# Altium PCB spin5v1_simple.PcbDoc (part 9 of 25)
Units mm, origin at the board's own origin, x right, y up, seen from the top; angles counter-clockwise.
Board outline 220.03 x 233.43 mm, 2 copper layers (TOP, BOTTOM), stack 0.176 mm thick; 1457 components, 4724 nets, 19245 pads, 25289 vias.
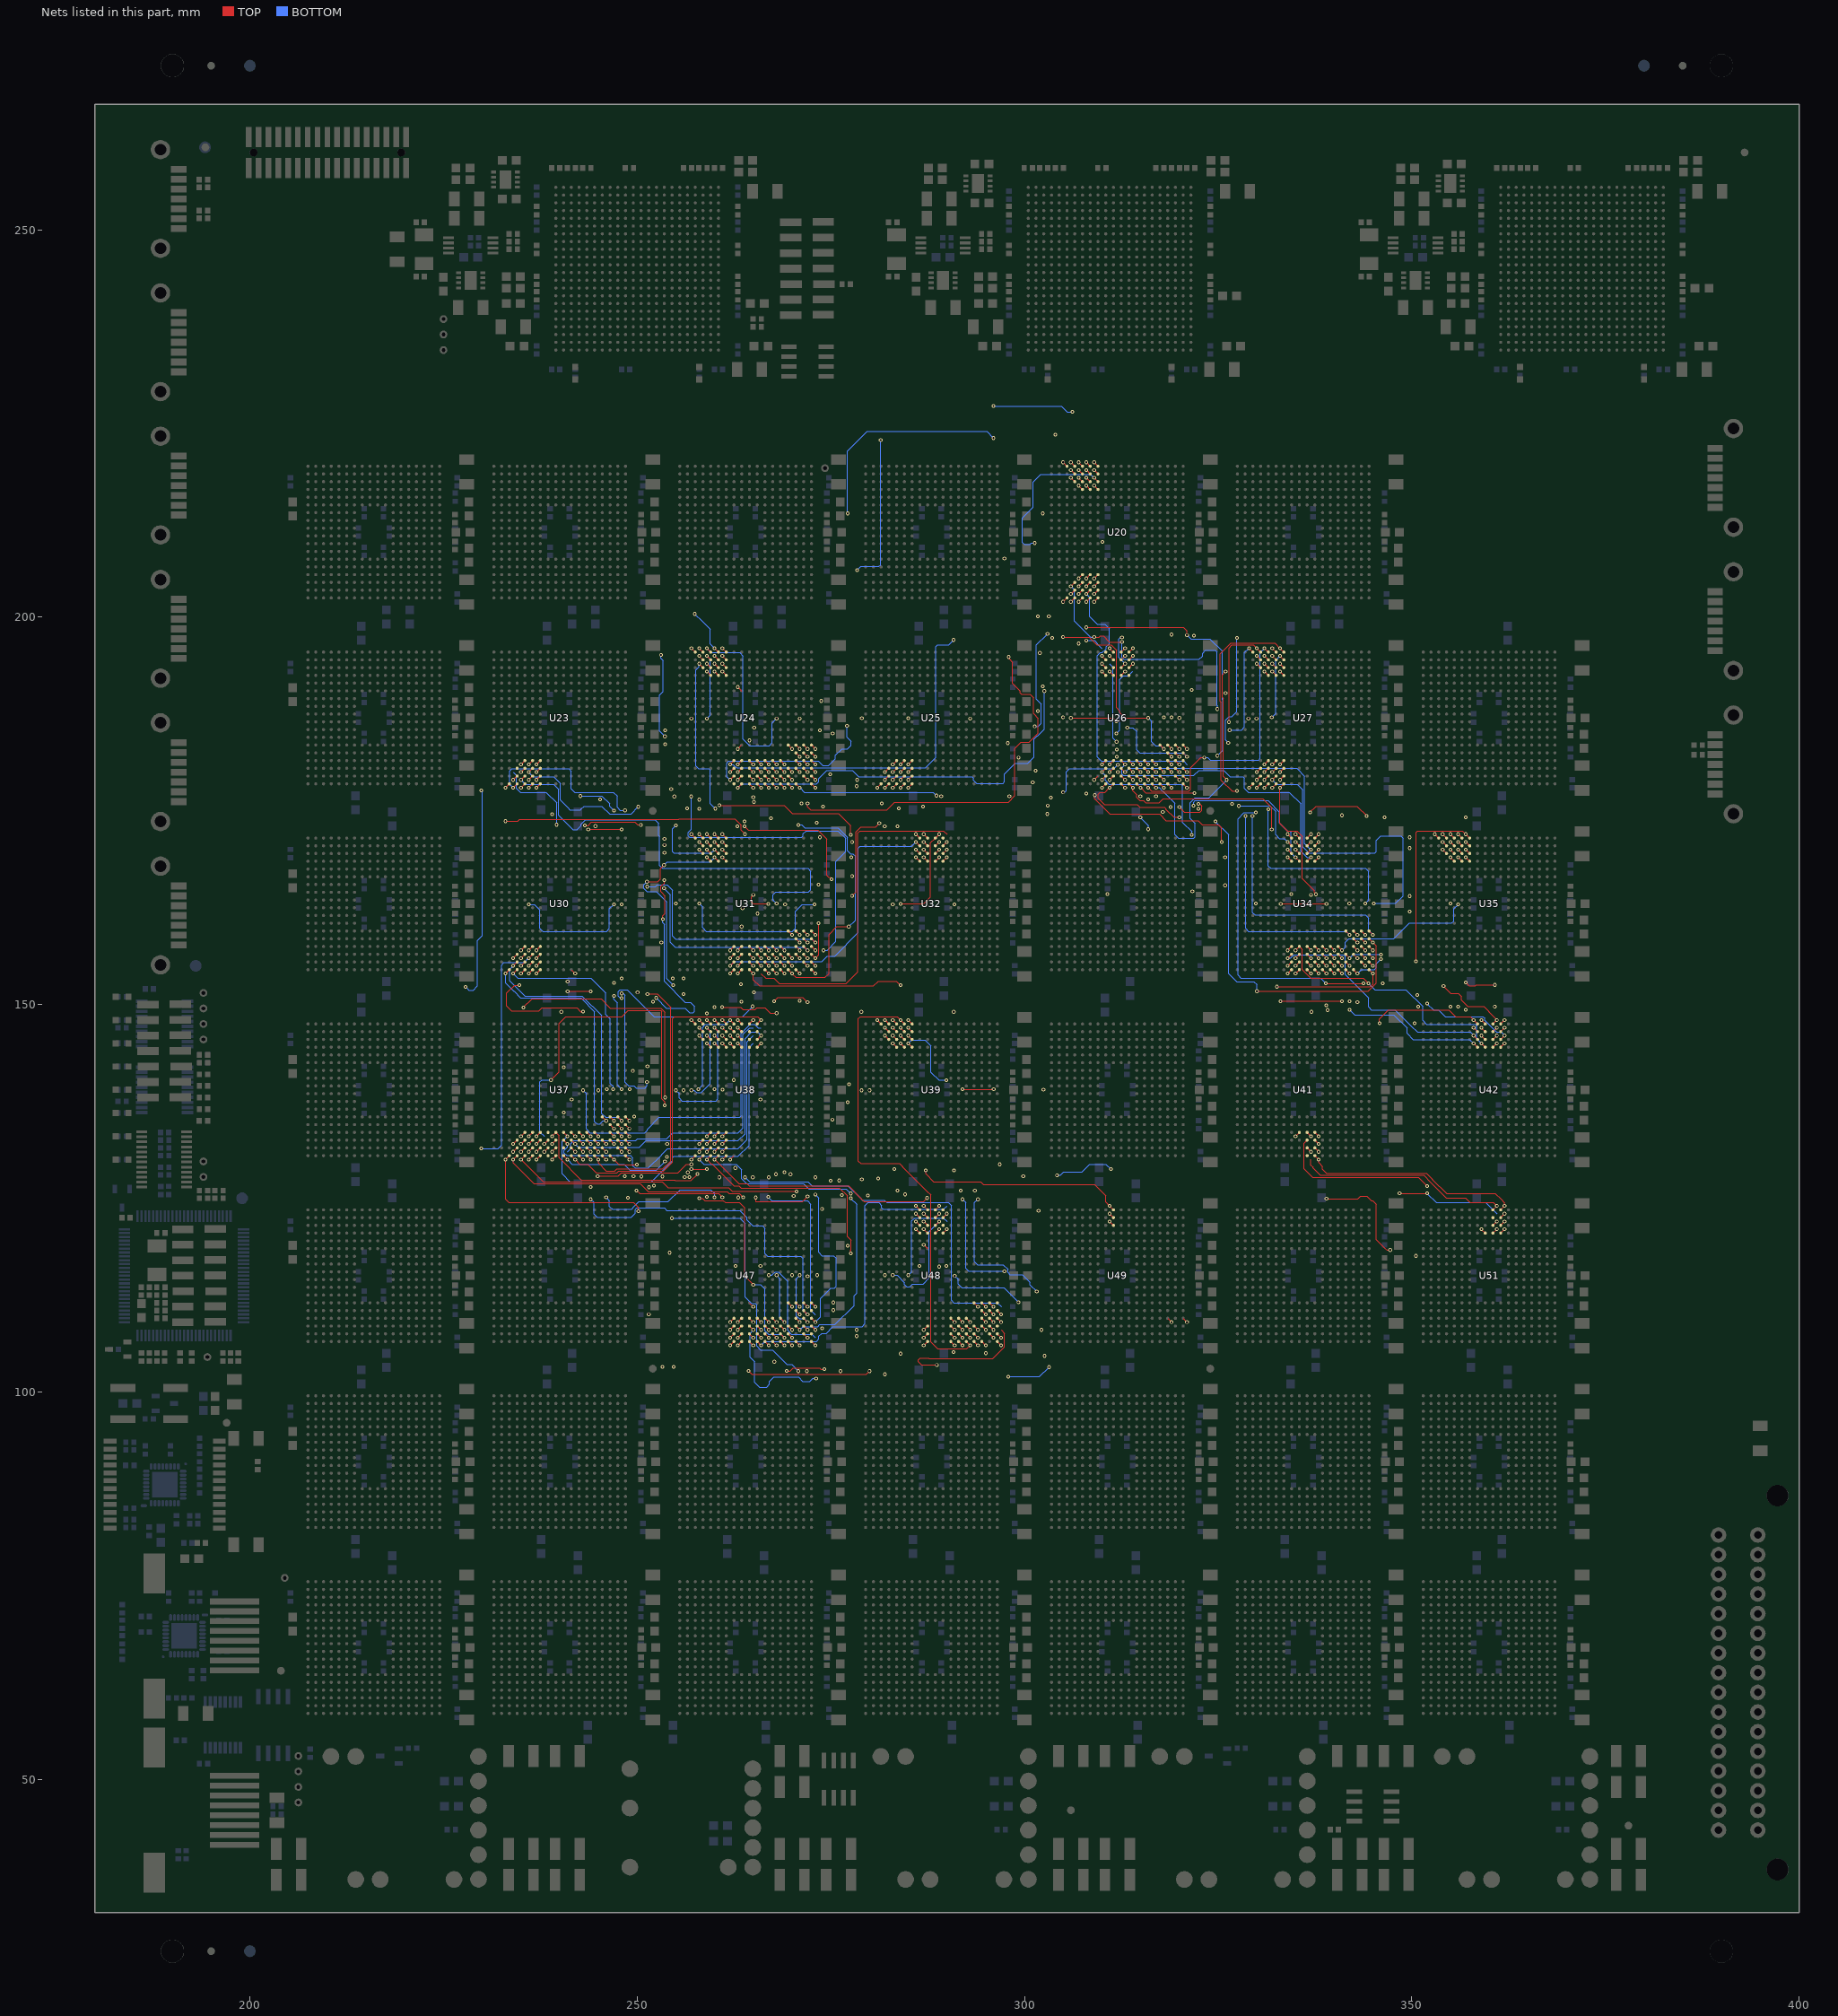
[diagram p9: the nets of this part, all layers, seen from the top]

## Via types
v1: diameter 0.48, hole 0.25, TOP to BOTTOM, 22348 vias
v2: diameter 0.61, hole 0.3, TOP to BOTTOM, 2059 vias
v3: diameter 0.8, hole 0, TOP to BOTTOM, 882 vias

## Nets (pads, with @x,y where several pads share a name; then routed paths per layer and width w, separated by ;. In a path a pad name is that pad's centre, name@x,y a point inside that pad or via, vN(x,y) a via of type N, cw(c..) or ccw(c..) an arc to the next point about the centre after c; other vN are vias at no path point) (continued)
S07_L0<13>: U48.V9 U49.A9 | length 26.4
  TOP w0.127: v1(287.279,128.591) 287.279,128.136 288.295,127.12 294.35,127.12 294.685,126.785 309.047,126.785 310.508,125.324 310.508,124.492 v1(311,124)
  other v1: 287,106 319,109 321,109
S07_L0<14>: U48.U9 U49.B9 | length 5.8
  BOTTOM w0.127: v1(297.925,101.958) 301.947,101.958 v1(303.193,103.204)
  other v1: 287,107 311,123 301.818,123.4
S07_L0<15>: U48.T9 U49.C9 | length 7.8
  BOTTOM w0.127: v1(304.207,127.966) 304.638,127.966 305.054,128.382 307.431,128.382 308.453,129.404 310.528,129.404 v1(311.181,128.751)
  other v1: 287,108 311,122
S07_L1<0>: U39.D7 U48.V16 | length 13.3
  TOP w0.127: v1(292,139.066) v1(296.034,139.066)
  BOTTOM w0.127: v1(285,145) 285.432,145.432 287.177,145.432 287.939,144.67 287.939,141.258 288.955,140.242 v1(289.912,140.242)
  other v1: 295,106 299.862,127.855
S07_L1<1>: U39.A6 U48.V14 | length 59.9
  TOP w0.127: v1(284,148) 283.569,148.431 278.815,148.431 278.561,148.177 278.561,129.785 278.879,129.467 283.887,129.467 284.284,129.07 284.284,129.035 287.396,125.923 287.41,125.923 287.918,125.415 287.918,106.458 288.807,105.569 292.569,105.569 v1(293,106)
S07_L1<2>: U39.B6 U48.U14 | length 18.3
  BOTTOM w0.127: v1(294,124.862) 293.569,124.431 293.569,116.812 293.95,116.431 297.227,116.431 297.862,115.796 297.862,115.393 298.116,115.139 299.73,115.139 300.746,114.123 300.746,113.821 v1(301.597,112.97)
  other v1: 302.593,104.642 293,107 276.064,127.297 277.342,139.731 284,147
S07_L1<3>: U39.C6 U48.T14
  other v1: 293,108 284,146
S07_L1<4>: U39.D6 U48.R14
  other v1: 293,109 283.599,126.004 291.77,126.004 284,145
S07_L1<5>: U39.A7 U48.V15
  other v1: 294,106 285,148
S07_L1<6>: U39.B7 U48.U15
  other v1: 294,107 285,147
S07_L1<7>: U39.C7 U48.T15
  other v1: 294,108 293.6,126.003 285,146
S07_L1<8>: U39.D5 U48.R13
  other v1: 292,109 290.917,128.595 283,145
S07_L1<9>: U39.A3 U48.V12
  other v1: 291,106 281,148
S07_L1<10>: U39.A4 U48.U12
  other v1: 291,107 302.193,108 302.459,139 282,148 290.875,149.064
S07_L1<11>: U39.B4 U48.T12
  other v1: 278.342,108 291,108 282,147 278.942,149.062
S07_L1<12>: U39.C4 U48.R12
  other v1: 291,109 275.333,110.558 277.167,137.4 282,146
S07_L1<13>: U39.A5 U48.V13
  other v1: 292,106 283,148
S07_L1<14>: U39.B5 U48.U13
  other v1: 292,107 280,138.931 283,147
S07_L1<15>: U39.C5 U48.T13
  other v1: 292,108 281.125,127.551 283,146
S07_L2<0>: U38.R5 U48.R16
  other v1: 295,109 262.672,128.907 259,133
S07_L2<1>: U38.V3 U48.N15
  other v1: 294,111 275.333,111.535 274.978,127.255 257,130
S07_L2<2>: U38.V4 U48.N16 | length 22.1
  BOTTOM w0.127: v1(258,130) 258.597,129.403 262.804,129.403 263.503,128.704 263.503,127.501 264.138,126.866 271.477,126.866 272.171,126.172 277.007,126.172 v1(277.572,125.607)
  other v1: 295,111 262,130
S07_L2<3>: U38.U4 U48.N17
  other v1: 296,111 267,127.697 296.8,129.382 258,131
S07_L2<4>: U38.T4 U48.N18 | length 47.2
  BOTTOM w0.127: v1(263.934,127.697) 264.511,127.12 272.078,127.12 272.585,126.613 277.23,126.613 278.881,124.962 278.881,124.946 279.08,124.747 281.919,124.747 282.235,124.431 290.18,124.431 290.561,124.05 290.561,111.823 290.879,111.505 296.495,111.505 297,111
  other v1: 258,132
S07_L2<5>: U38.V5 U48.P16 | length 27.7
  TOP w0.127: v1(259,130) 259.55,129.45 259.685,129.45 262.53,126.605 263.139,126.605 263.428,126.316 276.125,126.316 277.141,125.3 277.141,120.032 277.598,119.575 277.598,118.314 277.581,118.297 v1(277.581,117.866)
  other v1: 295,110
S07_L2<6>: U38.U5 U48.P17
  other v1: 296,110 259,131
S07_L2<7>: U38.T5 U48.P18
  other v1: 297,110 277.167,118.865 259,132 265.922,137.742 278.992,138.931
S07_L2<8>: U38.R7 U48.V18 | length 10
  BOTTOM w0.127: v1(290.996,114.965) 291.431,114.53 291.431,113.939 291.939,113.431 297.378,113.431 298.458,112.351 298.458,112.346 v1(299.227,111.577)
  other v1: 297,106 273.227,115.067 276.434,125.392 261,133 275.227,135.158
S07_L2<9>: U38.V6 U48.R17 | length 29.8
  TOP w0.127: v1(260,130) 263.141,126.859 264.155,126.859 264.444,126.57 277.3,126.57 278.824,125.046 278.824,125.042 279.269,124.597 286.999,124.597 v1(287.43,125.028)
  other v1: 295,105 290.865,105.138 296,109
S07_L2<10>: U38.U6 U48.R18
  other v1: 297,109 269,128.353 260,131
S07_L2<11>: U38.T6 U48.T16
  other v1: 295,108 264.934,127.697 260,132
S07_L2<12>: U38.R6 U48.T17
  other v1: 296,108 260.6,127.697 260,133
S07_L2<13>: U38.V7 U48.T18 | length 17
  TOP w0.127: v1(288.687,103.481) 286.711,103.481 286.314,103.878 286.314,104.144 286.513,104.343 287.651,104.343 287.717,104.277 295.907,104.277 297.431,105.801 297.431,107.569 297,108
  other v1: 279,127.451 273,127.697 261,130
S07_L2<14>: U38.U7 U48.U17
  other v1: 296,107 261,131
S07_L2<15>: U38.T7 U48.U18 | length 14.2
  BOTTOM w0.127: v1(292,124.862) 292.431,124.431 292.431,115.95 292.812,115.569 v1(297.431,115.569)
  other v1: 297,107 283.2,128.782 261,132
S08_L0<0>: U47.R11 U48.D11
  other v1: 266,109 289.912,116.242 290,121
S08_L0<1>: U47.V10 U48.A10 | length 5.1
  TOP w0.127: v1(269.303,102.697) 269.734,102.697 270.15,103.113 273.551,103.113 273.728,102.936 v1(274.159,102.936)
  other v1: 284,104.938 265,106 289,124 284.599,125.492
S08_L0<2>: U47.U10 U48.B10
  other v1: 265,107 289,116.172 265.912,116.242 289,123
S08_L0<3>: U47.T10 U48.C10 | length 30.3
  BOTTOM w0.127: v1(265,108) 264.568,107.568 264.568,104.475 265.154,103.889 265.154,101.232 265.789,100.597 266.725,100.597 267.106,100.978 267.106,101.33 267.678,101.902 270.82,101.902 271.382,101.34 272.274,101.34 272.666,101.732 v1(273.097,101.732) ; v1(283,115.067) 283.565,115.067 284.518,114.114 284.518,113.873 284.822,113.569 285.178,113.569 285.543,113.934 286.923,113.934 287.685,114.696 287.685,120.685 v1(289,122)
  other v1: 276.265,102.682 287,119
S08_L0<4>: U47.R10 U48.D10
  other v1: 265,109 289,121
S08_L0<5>: U47.V11 U48.A11 | length 41.5
  BOTTOM w0.127: v1(266,106) 266.505,106.505 273.151,106.505 273.469,106.823 273.469,107.185 273.85,107.566 274.405,107.566 275.27,108.431 279.05,108.431 279.431,108.812 279.431,124.05 279.812,124.431 281.188,124.431 281.569,124.05 281.569,123.768 281.768,123.569 289.569,123.569 290,124
  other v1: 265,111
S08_L0<6>: U47.U11 U48.B11
  other v1: 266,107 290,123 279.8,125.337
S08_L0<7>: U47.T11 U48.C11 | length 12.1
  BOTTOM w0.127: v1(285,115.067) 285.431,115.498 285.431,122.051 285.812,122.432 289.568,122.432 290,122
  other v1: 282,102.282 266,108
S08_L0<8>: U47.R9 U48.D9
  other v1: 263,109 287,121
S08_L0<9>: U47.V8 U48.A8 | length 16
  TOP w0.127: v1(264.4,102.697) 264.846,102.251 279.569,102.251 v1(280,102.682)
  other v1: 262,106 282,115.067 286,124
S08_L0<10>: U47.U8 U48.B8
  other v1: 262,107 286.455,116.258 286,123
S08_L0<11>: U47.T8 U48.C8
  other v1: 262,108 286,122
S08_L0<12>: U47.R8 U48.D8
  other v1: 262,109 286,121
S08_L0<13>: U47.V9 U48.A9
  other v1: 263,106 287,124
S08_L0<14>: U47.U9 U48.B9
  other v1: 263,107 278.342,107.2 287,123
S08_L0<15>: U47.T9 U48.C9
  other v1: 263,108 287,122
S08_L1<0>: U38.D7 U47.V16
  other v1: 271,106 270,115.069 267.9,128.098 261,145
S08_L1<1>: U38.A6 U47.V14
  other v1: 269,106 260,148
S08_L1<2>: U38.B6 U47.U14 | length 42.5
  TOP w0.127: v1(258.007,125.002) 258.438,125.002 258.755,124.685 261.127,124.685 261.381,124.431 263.192,124.431 263.891,123.732 263.891,114.937 v1(265,113.828)
  BOTTOM w0.127: v1(255,138.931) 255.431,138.5 255.431,137.95 255.812,137.569 260.178,137.569 260.432,137.823 260.432,146.568 v1(260,147) ; v1(265,113.828) 265.936,113.828 266.508,113.256 266.508,107.876 266.953,107.431 268.569,107.431 v1(269,107)
S08_L1<3>: U38.C6 U47.T14
  other v1: 269,108 260,146
S08_L1<4>: U38.D6 U47.R14 | length 6.5
  BOTTOM w0.127: v1(268,115.066) 268.431,114.635 268.431,109.569 v1(269,109)
  other v1: 260,145
S08_L1<5>: U38.A7 U47.V15
  other v1: 270,106 261,148
S08_L1<6>: U38.B7 U47.U15 | length 7.6
  TOP w0.127: v1(260.965,149.662) 263.345,149.662 263.68,149.327 265.207,149.327 265.469,149.589 266.496,149.589 266.75,149.335 266.75,149.331 267.195,148.886 v1(268,148.886)
  other v1: 270,107 261,147
S08_L1<7>: U38.C7 U47.T15
  other v1: 270,108 269.8,128.097 261,146
S08_L1<8>: U38.D5 U47.R13
  other v1: 268,109 259,145 259,148.862
S08_L1<9>: U38.A3 U47.V12
  other v1: 253.285,103.24 254.704,103.24 267,106 251.5,110.025 248.8,125.062 257,148
S08_L1<10>: U38.A4 U47.U12 | length 11.5
  TOP w0.127: v1(249.9,126.002) 250.313,125.589 260.548,125.589 v1(261,125.137)
  other v1: 267,107 273.899,108.197 273.862,123.6 263.072,125.093 258,148
S08_L1<11>: U38.B4 U47.T12
  other v1: 267,108 258,147
S08_L1<12>: U38.C4 U47.R12
  other v1: 267,109 256.14,127.728 258,146
S08_L1<13>: U38.A5 U47.V13
  other v1: 267.717,103.897 268,106 254.192,117.963 253.825,130.343 259,148
S08_L1<14>: U38.B5 U47.U13 | length 10.4
  BOTTOM w0.127: v1(257,138.931) 257.431,138.931 257.431,138.892 257.685,138.638 258.289,138.638 259.432,139.781 259.432,146.568 v1(259,147)
  other v1: 268,107
S08_L1<15>: U38.C5 U47.T13
  other v1: 268,108 259,146
S08_L2<0>: U37.R5 U47.R16 | length 33.1
  BOTTOM w0.127: v1(254.501,122.431) 263.24,122.431 263.939,121.732 263.939,112.257 264.765,111.431 265.232,111.431 265.431,111.232 265.431,105.911 265.939,105.403 267.465,105.403 269.34,103.528 269.955,103.528 v1(270.801,102.682)
  other v1: 271,109 235,133
S08_L2<1>: U37.V3 U47.N15 | length 23.2
  TOP w0.127: v1(233,130) 233,124.876 233.445,124.431 249.535,124.431 250.17,123.796 v1(250.17,123.308)
  other v1: 270,111 262.687,116.258
S08_L2<2>: U37.V4 U47.N16 | length 32
  TOP w0.127: 234,130 234,129.533 236.667,126.866 250.427,126.866 251.45,125.843 261.632,125.843 261.886,125.589 263.208,125.589 v1(263.679,125.118)
  other v1: 271,111
S08_L2<3>: U37.U4 U47.N17
  other v1: 272,111 234,131
S08_L2<4>: U37.T4 U47.N18
  other v1: 273,111 272,114.931 243.999,126.435 234,132 240.513,136.067
S08_L2<5>: U37.V5 U47.P16 | length 37.3
  TOP w0.127: v1(235,130) 237.88,127.12 253.215,127.12 253.984,126.351 261.78,126.351 262.246,125.885 v1(270.6,125.885)
  other v1: 271,110 234,130
S08_L2<6>: U37.U5 U47.P17 | length 42.2
  BOTTOM w0.127: v1(243.999,124.862) 244.431,124.43 244.431,122.95 244.812,122.569 249.231,122.569 249.739,123.077 249.739,123.54 249.938,123.739 253.504,123.739 253.812,123.431 263.24,123.431 264.193,122.478 264.193,122.193 264.955,121.431 266.19,121.431 266.508,121.113 266.508,117.823 266.826,117.505 271.113,117.505 271.431,117.187 271.431,110.569 v1(272,110)
  other v1: 235,131
S08_L2<7>: U37.T5 U47.P18 | length 20.4
  BOTTOM w0.127: v1(266.917,125.159) 267.391,124.685 271.986,124.685 272.431,124.24 272.431,110.569 273,110
  other v1: 252.152,126.62 235,132
S08_L2<8>: U37.R7 U47.V18
  other v1: 273,106 237,133
S08_L2<9>: U37.V6 U47.R17 | length 7.2
  BOTTOM w0.127: v1(271,115.066) 270.569,114.635 270.569,109.812 270.95,109.431 271.569,109.431 v1(272,109)
  other v1: 270.2,125.278 249.525,127.825 236,130
S08_L2<10>: U37.U6 U47.R18 | length 19.9
  BOTTOM w0.127: v1(273,109) 273.686,109.686 273.686,112.081 275.02,113.415 275.499,113.415 275.698,113.614 275.698,117.252 275.38,117.57 273.876,117.57 273.431,118.015 273.431,125.056 v1(273,125.487)
  other v1: 250.525,127.805 236,131
S08_L2<11>: U37.T6 U47.T16 | length 22.7
  BOTTOM w0.127: v1(271,108) 271.431,108.431 273.306,108.431 273.56,108.685 275.551,108.685 278.028,111.162 278.028,112.398 278.373,112.743 278.373,124.199 v1(277.572,125)
  other v1: 251.545,126.42 236,132
S08_L2<12>: U37.R6 U47.T17
  other v1: 271.9,102.682 272,108 236,133
S08_L2<13>: U37.V7 U47.T18 | length 2
  TOP w0.127: v1(257,128.765) v1(259,128.765)
  other v1: 273,108 259,125.158 237,130
S08_L2<14>: U37.U7 U47.U17 | length 7.4
  TOP w0.127: v1(265.328,125.093) 265.328,124.597 271.364,124.597 v1(272,125.233)
  other v1: 272,107 237,131
S08_L2<15>: U37.T7 U47.U18 | length 13.4
  BOTTOM w0.127: v1(267,115.069) 267.431,115.069 267.431,115.116 267.812,115.497 268.224,115.497 269.431,114.29 269.431,107.939 269.939,107.431 272.569,107.431 273,107
  other v1: 256.747,127.728 237,132 249.607,135.535 256,138.931
S09_L0<0>: U37.R11 U38.D11
  other v1: 253.879,132 242,133 262.455,140.258 266,145
S09_L0<1>: U37.V10 U38.A10 | length 13.6
  BOTTOM w0.127: v1(241,130) 241.597,129.403 248.335,129.403 249.095,128.643 252.488,128.643 v1(253.581,129.736)
  other v1: 260,139.067 265,148
S09_L0<2>: U37.U10 U38.B10 | length 38.1
  BOTTOM w0.127: 241,131 241.431,131.431 241.431,132.05 241.812,132.431 249.812,132.431 250.066,132.685 253.823,132.685 254.569,133.431 263.05,133.431 263.685,134.066 263.685,146.174 264.511,147 265,147
S09_L0<3>: U37.T10 U38.C10 | length 41.7
  BOTTOM w0.127: 241,132 241,131.609 240.569,131.178 240.569,130.822 240.873,130.518 249.113,130.518 249.431,130.2 249.431,129.215 249.749,128.897 251.435,128.897 253.15,130.612 253.15,130.637 253.944,131.431 263.05,131.431 264.193,132.574 264.193,145.193 265,146
S09_L0<4>: U37.R10 U38.D10 | length 45.2
  BOTTOM w0.127: 241,133 240.315,132.315 240.315,128.15 241.331,127.134 251.838,127.134 254.569,129.865 254.569,130.232 254.768,130.431 263.05,130.431 264.447,131.828 264.447,144.447 265,145
S09_L0<5>: U37.V11 U38.A11 | length 44.1
  TOP w0.127: v1(242,130) 242.597,129.403 243.597,129.403 244.724,128.276 247.381,128.276 247.635,128.53 253.421,128.53 254.564,129.673 254.564,148.177 254.818,148.431 265.569,148.431 v1(266,148)
S09_L0<6>: U37.U11 U38.B11 | length 40.2
  BOTTOM w0.127: v1(242.999,138.931) 243.431,138.499 243.431,133.952 243.939,133.444 250.987,133.444 251.305,133.762 251.305,133.907 252.829,135.431 263.232,135.431 263.431,135.63 263.431,146.288 264.574,147.431 265.178,147.431 265.609,147 266,147
  other v1: 242,131
S09_L0<7>: U37.T11 U38.C11 | length 37.7
  BOTTOM w0.127: v1(242,132) 242.432,131.568 250.269,131.568 251.132,132.431 263.05,132.431 263.939,133.32 263.939,145.606 264.765,146.432 265.568,146.432 v1(266,146)
S09_L0<8>: U37.R9 U38.D9 | length 22.9
  TOP w0.127: U37.R9@239.5,133.5 239.891,133.109 239.891,130.232 242.749,127.374 254.83,127.374 254.907,127.297 256.969,127.297 v1(257.8,128.128)
  other v1: 241,132 239,133 241,133 263,145
S09_L0<9>: U37.V8 U38.A8 | length 29
  BOTTOM w0.127: v1(246,125.116) 246.432,124.684 246.432,123.95 246.813,123.569 249.286,123.569 249.485,123.768 249.485,123.809 250.247,124.571 254.001,124.571 255.527,126.097 259.492,126.097 260,125.589 v1(260,125.137) ; v1(257.901,139.069) 258.431,139.599 258.431,147.05 258.812,147.431 261.431,147.431 v1(262,148)
S09_L0<10>: U37.U8 U38.B8
  other v1: 238,131 262,147
S09_L0<11>: U37.T8 U38.C8
  other v1: 238,132 262,146 260,149.662
S09_L0<12>: U37.R8 U38.D8 | length 42.7
  TOP w0.127: v1(238.868,140.258) 239.891,141.281 239.891,147.542 240.78,148.431 248.039,148.431 248.824,149.216 253.039,149.216 253.166,149.089 253.166,137.821 253.556,137.431 v1(253.556,137)
  BOTTOM w0.127: 238,133 237.439,133.561 237.439,140.004 237.693,140.258 v1(238.868,140.258)
  other v1: 262,145
S09_L0<13>: U37.V9 U38.A9
  other v1: 239,130 263,148
S09_L0<14>: U37.U9 U38.B9
  other v1: 239,131 261.033,139.036 263,147
S09_L0<15>: U37.T9 U38.C9
  other v1: 239,132 263,146
S09_L1<0>: U31.D7 U37.V16 | length 3.2
  TOP w0.127: v1(247,130) 247.672,129.328 v1(249.969,129.328)
  other v1: 261,169
S09_L1<1>: U31.A6 U37.V14 | length 34.2
  TOP w0.127: v1(245,130) 245,129.546 246.016,128.53 247.127,128.53 247.381,128.784 253.294,128.784 254.31,129.8 254.31,149.65 252.595,151.365 v1(251.333,151.365)
  other v1: 260,172
S09_L1<2>: U31.B6 U37.U14
  other v1: 245,131 244.974,138.931 260,171 253.528,171.4
S09_L1<3>: U31.C6 U37.T14 | length 9.2
  BOTTOM w0.127: v1(255,173.116) 254.569,172.685 254.569,169.768 254.768,169.569 259.569,169.569 v1(260,170)
  other v1: 245,132
S09_L1<4>: U31.D6 U37.R14 | length 26.6
  TOP w0.127: v1(251.268,165.866) 252.673,165.866 252.991,166.184 252.991,167.526 v1(253.465,168)
  BOTTOM w0.127: v1(251.268,165.866) 250.869,165.467 250.869,164.986 251.266,164.589 252.466,164.589 253.8,163.255 253.8,153.371 v1(254.668,152.503) ; v1(253.465,168) 253.896,168.431 259.431,168.431 v1(260,169)
  other v1: 245,133
S09_L1<5>: U31.A7 U37.V15
  other v1: 248.4,127.845 246,130 261,172
S09_L1<6>: U31.B7 U37.U15
  other v1: 246,131 253.528,170.6 261,171
S09_L1<7>: U31.C7 U37.T15
  other v1: 246,132 249.056,139.069 253.528,169.6 261,170
S09_L1<8>: U31.D5 U37.R13
  other v1: 244,133 255,163.067 259,169
S09_L1<9>: U31.A3 U37.V12
  other v1: 256.54,128.335 243,130 257,172
S09_L1<10>: U31.A4 U37.U12 | length 15.5
  BOTTOM w0.127: v1(248,151.448) 248.191,151.448 248.431,151.208 248.431,139.945 248.876,139.5 249.608,139.5 249.874,139.234 251.013,139.234 251.267,139.488 v1(251.267,140)
  other v1: 253.265,127.805 243,131 258,172
S09_L1<11>: U31.B4 U37.T12 | length 12.7
  TOP w0.127: v1(244.9,127.845) 247.546,127.845 247.977,128.276 255.276,128.276 256.372,129.372 v1(257,129.372)
  other v1: 243,132 258,171
S09_L1<12>: U31.C4 U37.R12
  other v1: 243,133 258,170
S09_L1<13>: U31.A5 U37.V13
  other v1: 244,130 259,172
S09_L1<14>: U31.B5 U37.U13
  other v1: 244,131 241.545,137.742 253.115,158 259,171
S09_L1<15>: U31.C5 U37.T13
  other v1: 244,132 246.099,139.067 256.003,151.365 259,170 257.999,176.464
S09_L2<0>: U30.R5 U37.R16 | length 30.5
  TOP w0.127: v1(235.309,149.631) 236.418,150.74 245.336,150.74 246.542,149.534 253.089,149.534 253.597,149.026 v1(253.597,138)
  other v1: 247,133 235,157
S09_L2<1>: U30.V3 U37.N15 | length 30.3
  BOTTOM w0.127: 233,154 233,152.783 234.08,151.703 234.119,151.703 234.956,150.866 242.74,150.866 244.518,149.088 244.518,134.873 244.822,134.569 245.178,134.569 245.609,135 246,135
S09_L2<2>: U30.V4 U37.N16 | length 25.8
  BOTTOM w0.127: v1(234,154) 234.597,153.403 244.034,153.403 245.939,151.498 245.939,148.726 246.53,148.135 246.53,139.816 246.848,139.498 246.901,139.498 v1(246.901,139.067)
  other v1: 247,135 242,154
S09_L2<3>: U30.U4 U37.N17 | length 31.4
  BOTTOM w0.127: v1(234,155) 233.568,154.568 233.568,153.089 235.537,151.12 242.891,151.12 245.431,148.58 245.431,135.939 245.939,135.431 247.569,135.431 v1(248,135)
  other v1: 246,135 233,154
S09_L2<4>: U30.T4 U37.N18
  other v1: 249,135 234,156
S09_L2<5>: U30.V5 U37.P16
  other v1: 247,134 235,154
S09_L2<6>: U30.U5 U37.P17
  other v1: 248,134 235,155
S09_L2<7>: U30.T5 U37.P18 | length 14.2
  TOP w0.127: v1(234.8,152.509) 234.184,152.509 233.168,151.493 233.168,149.835 233.803,149.2 237.31,149.2 237.699,149.589 242.205,149.589 242.701,149.093 v1(243.03,149.093)
  other v1: 249,134 235,156
S09_L2<8>: U30.R7 U37.V18
  other v1: 249,130 251.333,142.042 237,157
S09_L2<9>: U30.V6 U37.R17
  other v1: 248,133 236,154
S09_L2<10>: U30.U6 U37.R18
  other v1: 249,133 240.2,149.062 236,155
S09_L2<11>: U30.T6 U37.T16 | length 29.9
  BOTTOM w0.127: v1(229.884,131.431) 232.055,131.431 232.5,131.876 232.5,155.113 232.818,155.431 235.431,155.431 v1(236,156)
  other v1: 247,132
S09_L2<12>: U30.R6 U37.T17
  other v1: 248,132 240.513,141.933 236,157
S09_L2<13>: U30.V7 U37.T18
  other v1: 249,132 237,154
S09_L2<14>: U30.U7 U37.U17 | length 12.5
  BOTTOM w0.127: v1(247,151.109) 247,150.675 247.431,150.244 247.431,139.638 v1(248,139.069)
  other v1: 248,131 237,155
S09_L2<15>: U30.T7 U37.U18 | length 3
  TOP w0.127: v1(241.01,151.703) v1(244,151.703)
  other v1: 249,131 249.431,141.43 237,156
S10_L0<0>: U31.R11 U32.D11
  other v1: 266,157 290,169
S10_L0<1>: U31.V10 U32.A10 | length 32.7
  TOP w0.127: v1(265,154) 265,153.205 265.794,152.411 280.52,152.411 281.129,153.02 283.487,153.02 v1(284,152.507) ; v1(284,162.996) 287.002,162.996 287.891,163.885 287.891,170.891 U32.A10@288.5,171.5
  other v1: 289,172
S10_L0<2>: U31.U10 U32.B10
  other v1: 271,150.503 265.082,151.6 265,155 277.742,171 289,171 283.6,173
S10_L0<3>: U31.T10 U32.C10
  other v1: 265,156 277.665,169 289,170

## Text inside footprints (layer, text, board x,y; h text height)
U25: PIN_NUMBER "J17" at 295.166,187.5 h0.24; PIN_NUMBER "M17" at 295.166,184.5 h0.24; PIN_NUMBER "J18" at 296.166,187.5 h0.24; PIN_NUMBER "M18" at 296.166,184.5 h0.24; PIN_NUMBER "J16" at 294.166,187.5 h0.24; PIN_NUMBER "C17" at 295.166,193.5 h0.24; PIN_NUMBER "C18" at 296.166,193.5 h0.24; PIN_NUMBER "D16" at 294.166,192.5 h0.24; PIN_NUMBER "K15" at 293.166,186.5 h0.24; PIN_NUMBER "K16" at 294.166,186.5 h0.24; PIN_NUMBER "E18" at 296.166,191.5 h0.24; PIN_NUMBER "F16" at 294.166,190.5 h0.24; PIN_NUMBER "M16" at 294.166,184.5 h0.24; PIN_NUMBER "P14" at 292.166,182.5 h0.24; PIN_NUMBER "N13" at 291.166,183.5 h0.24; PIN_NUMBER "N14" at 292.166,183.5 h0.24; PIN_NUMBER "M12" at 290.166,184.5 h0.24; PIN_NUMBER "M13" at 291.166,184.5 h0.24; PIN_NUMBER "M14" at 292.166,184.5 h0.24; PIN_NUMBER "H12" at 290.166,188.5 h0.24; PIN_NUMBER "H13" at 291.166,188.5 h0.24; PIN_NUMBER "H14" at 292.166,188.5 h0.24; PIN_NUMBER "E6" at 283.854,191.5 h0.24; PIN_NUMBER "E7" at 284.854,191.5 h0.24; PIN_NUMBER "F7" at 284.854,190.5 h0.24; PIN_NUMBER "E8" at 285.854,191.5 h0.24; PIN_NUMBER "F8" at 285.854,190.5 h0.24; PIN_NUMBER "L5" at 282.854,185.5 h0.24; PIN_NUMBER "L6" at 283.854,185.5 h0.24; PIN_NUMBER "L7" at 284.854,185.5 h0.24; PIN_NUMBER "G7" at 284.854,189.5 h0.24; PIN_NUMBER "G5" at 282.854,189.5 h0.24; PIN_NUMBER "G6" at 283.854,189.5 h0.24; PIN_NUMBER "F5" at 282.854,190.5 h0.24; PIN_NUMBER "F6" at 283.854,190.5 h0.24; PIN_NUMBER "E5" at 282.854,191.5 h0.24; PIN_NUMBER "P11" at 289.166,182.5 h0.24; PIN_NUMBER "N11" at 289.166,183.5 h0.24; PIN_NUMBER "P12" at 290.166,182.5 h0.24; PIN_NUMBER "N12" at 290.166,183.5 h0.24; PIN_NUMBER "P13" at 291.166,182.5 h0.24; PIN_NUMBER "K12" at 290.166,186.5 h0.24; PIN_NUMBER "K13" at 291.166,186.5 h0.24; PIN_NUMBER "K14" at 292.166,186.5 h0.24; PIN_NUMBER "E10" at 287.936,191.5 h0.24; PIN_NUMBER "F10" at 287.936,190.5 h0.24; PIN_NUMBER "J5" at 282.854,187.5 h0.24; PIN_NUMBER "J6" at 283.854,187.5 h0.24; PIN_NUMBER "J7" at 284.854,187.5 h0.24; PIN_NUMBER "N9" at 286.854,183.5 h0.24; PIN_NUMBER "P9" at 286.854,182.5 h0.24; PIN_NUMBER "B18" at 296.166,194.5 h0.24; PIN_NUMBER "G16" at 294.166,189.5 h0.24; PIN_NUMBER "C16" at 294.166,193.5 h0.24; PIN_NUMBER "G17" at 295.166,189.5 h0.24; PIN_NUMBER "C13" at 291.166,193.5 h0.24; PIN_NUMBER "B13" at 291.166,194.5 h0.24; PIN_NUMBER "A13" at 291.166,195.5 h0.24; PIN_NUMBER "D14" at 292.166,192.5 h0.24; PIN_NUMBER "C14" at 292.166,193.5 h0.24; PIN_NUMBER "B14" at 292.166,194.5 h0.24; PIN_NUMBER "A14" at 292.166,195.5 h0.24; PIN_NUMBER "K17" at 295.166,186.5 h0.24; PIN_NUMBER "K18" at 296.166,186.5 h0.24; PIN_NUMBER "L15" at 293.166,185.5 h0.24; PIN_NUMBER "L16" at 294.166,185.5 h0.24; PIN_NUMBER "A8" at 285.854,195.5 h0.24; PIN_NUMBER "D9" at 286.854,192.5 h0.24; PIN_NUMBER "C11" at 289.166,193.5 h0.24; PIN_NUMBER "B11" at 289.166,194.5 h0.24; PIN_NUMBER "A11" at 289.166,195.5 h0.24; PIN_NUMBER "D10" at 287.936,192.5 h0.24; PIN_NUMBER "C10" at 287.936,193.5 h0.24; PIN_NUMBER "B10" at 287.936,194.5 h0.24; PIN_NUMBER "A10" at 287.936,195.5 h0.24; PIN_NUMBER "C9" at 286.854,193.5 h0.24; PIN_NUMBER "B9" at 286.854,194.5 h0.24; PIN_NUMBER "A9" at 286.854,195.5 h0.24; PIN_NUMBER "D8" at 285.854,192.5 h0.24; PIN_NUMBER "C8" at 285.854,193.5 h0.24; PIN_NUMBER "B8" at 285.854,194.5 h0.24; PIN_NUMBER "D11" at 289.166,192.5 h0.24; PIN_NUMBER "V8" at 285.854,178.5 h0.24; PIN_NUMBER "R9" at 286.854,181.5 h0.24; PIN_NUMBER "T11" at 289.166,180.5 h0.24; PIN_NUMBER "U11" at 289.166,179.5 h0.24; PIN_NUMBER "V11" at 289.166,178.5 h0.24; PIN_NUMBER "R10" at 287.936,181.5 h0.24; PIN_NUMBER "T10" at 287.936,180.5 h0.24; PIN_NUMBER "U10" at 287.936,179.5 h0.24; PIN_NUMBER "V10" at 287.936,178.5 h0.24; PIN_NUMBER "T9" at 286.854,180.5 h0.24; PIN_NUMBER "U9" at 286.854,179.5 h0.24; PIN_NUMBER "V9" at 286.854,178.5 h0.24; PIN_NUMBER "R8" at 285.854,181.5 h0.24; PIN_NUMBER "T8" at 285.854,180.5 h0.24; PIN_NUMBER "U8" at 285.854,179.5 h0.24; PIN_NUMBER "R11" at 289.166,181.5 h0.24; PIN_NUMBER "R17" at 295.166,181.5 h0.24; PIN_NUMBER "V18" at 296.166,178.5 h0.24; PIN_NUMBER "P18" at 296.166,182.5 h0.24; PIN_NUMBER "P17" at 295.166,182.5 h0.24; PIN_NUMBER "P16" at 294.166,182.5 h0.24; PIN_NUMBER "N18" at 296.166,183.5 h0.24; PIN_NUMBER "N17" at 295.166,183.5 h0.24; PIN_NUMBER "N16" at 294.166,183.5 h0.24; PIN_NUMBER "N15" at 293.166,183.5 h0.24; PIN_NUMBER "U18" at 296.166,179.5 h0.24; PIN_NUMBER "U17" at 295.166,179.5 h0.24; PIN_NUMBER "T18" at 296.166,180.5 h0.24; PIN_NUMBER "T17" at 295.166,180.5 h0.24; PIN_NUMBER "T16" at 294.166,180.5 h0.24; PIN_NUMBER "R18" at 296.166,181.5 h0.24; PIN_NUMBER "R16" at 294.166,181.5 h0.24; PIN_NUMBER "V12" at 290.166,178.5 h0.24; PIN_NUMBER "R13" at 291.166,181.5 h0.24; PIN_NUMBER "T15" at 293.166,180.5 h0.24; PIN_NUMBER "U15" at 293.166,179.5 h0.24; PIN_NUMBER "V15" at 293.166,178.5 h0.24; PIN_NUMBER "R14" at 292.166,181.5 h0.24; PIN_NUMBER "T14" at 292.166,180.5 h0.24; PIN_NUMBER "U14" at 292.166,179.5 h0.24; PIN_NUMBER "V14" at 292.166,178.5 h0.24; PIN_NUMBER "T13" at 291.166,180.5 h0.24; PIN_NUMBER "U13" at 291.166,179.5 h0.24; PIN_NUMBER "V13" at 291.166,178.5 h0.24; PIN_NUMBER "R12" at 290.166,181.5 h0.24; PIN_NUMBER "T12" at 290.166,180.5 h0.24; PIN_NUMBER "U12" at 290.166,179.5 h0.24; PIN_NUMBER "V16" at 294.166,178.5 h0.24; PIN_NUMBER "A3" at 280.854,195.5 h0.24; PIN_NUMBER "D5" at 282.854,192.5 h0.24; PIN_NUMBER "C7" at 284.854,193.5 h0.24; PIN_NUMBER "B7" at 284.854,194.5 h0.24; PIN_NUMBER "A7" at 284.854,195.5 h0.24; PIN_NUMBER "D6" at 283.854,192.5 h0.24; PIN_NUMBER "C6" at 283.854,193.5 h0.24; PIN_NUMBER "B6" at 283.854,194.5 h0.24; PIN_NUMBER "A6" at 283.854,195.5 h0.24; PIN_NUMBER "C5" at 282.854,193.5 h0.24; PIN_NUMBER "B5" at 282.854,194.5 h0.24; PIN_NUMBER "A5" at 282.854,195.5 h0.24; PIN_NUMBER "C4" at 281.854,193.5 h0.24; PIN_NUMBER "B4" at 281.854,194.5 h0.24; PIN_NUMBER "A4" at 281.854,195.5 h0.24; PIN_NUMBER "D7" at 284.854,192.5 h0.24; PIN_NUMBER "V6" at 283.854,178.5 h0.24; PIN_NUMBER "R7" at 284.854,181.5 h0.24; PIN_NUMBER "T5" at 282.854,180.5 h0.24; PIN_NUMBER "U5" at 282.854,179.5 h0.24; PIN_NUMBER "V5" at 282.854,178.5 h0.24; PIN_NUMBER "T4" at 281.854,180.5 h0.24; PIN_NUMBER "U4" at 281.854,179.5 h0.24; PIN_NUMBER "V4" at 281.854,178.5 h0.24; PIN_NUMBER "V3" at 280.854,178.5 h0.24; PIN_NUMBER "T7" at 284.854,180.5 h0.24; PIN_NUMBER "U7" at 284.854,179.5 h0.24; PIN_NUMBER "V7" at 284.854,178.5 h0.24; PIN_NUMBER "R6" at 283.854,181.5 h0.24; PIN_NUMBER "T6" at 283.854,180.5 h0.24; PIN_NUMBER "U6" at 283.854,179.5 h0.24; PIN_NUMBER "R5" at 282.854,181.5 h0.24; PIN_NUMBER "C15" at 293.166,193.5 h0.24; PIN_NUMBER "B15" at 293.166,194.5 h0.24; PIN_NUMBER "A15" at 293.166,195.5 h0.24; PIN_NUMBER "B16" at 294.166,194.5 h0.24; PIN_NUMBER "A16" at 294.166,195.5 h0.24; PIN_NUMBER "A17" at 295.166,195.5 h0.24; PIN_NUMBER "A18" at 296.166,195.5 h0.24; PIN_NUMBER "B17" at 295.166,194.5 h0.24; PIN_NUMBER "H16" at 294.166,188.5 h0.24; PIN_NUMBER "H15" at 293.166,188.5 h0.24; PIN_NUMBER "B12" at 290.166,194.5 h0.24; PIN_NUMBER "C12" at 290.166,193.5 h0.24; PIN_NUMBER "A12" at 290.166,195.5 h0.24; PIN_NUMBER "D13" at 291.166,192.5 h0.24; PIN_NUMBER "F17" at 295.166,190.5 h0.24; PIN_NUMBER "F18" at 296.166,190.5 h0.24; PIN_NUMBER "D17" at 295.166,192.5 h0.24; PIN_NUMBER "D18" at 296.166,192.5 h0.24; PIN_NUMBER "E16" at 294.166,191.5 h0.24; PIN_NUMBER "E17" at 295.166,191.5 h0.24; PIN_NUMBER "L12" at 290.166,185.5 h0.24; PIN_NUMBER "L13" at 291.166,185.5 h0.24; PIN_NUMBER "L14" at 292.166,185.5 h0.24; PIN_NUMBER "L17" at 295.166,185.5 h0.24; PIN_NUMBER "L18" at 296.166,185.5 h0.24; PIN_NUMBER "J12" at 290.166,187.5 h0.24; PIN_NUMBER "J13" at 291.166,187.5 h0.24; PIN_NUMBER "J14" at 292.166,187.5 h0.24; PIN_NUMBER "H17" at 295.166,188.5 h0.24; PIN_NUMBER "H18" at 296.166,188.5 h0.24; PIN_NUMBER "G12" at 290.166,189.5 h0.24; PIN_NUMBER "G13" at 291.166,189.5 h0.24; PIN_NUMBER "G14" at 292.166,189.5 h0.24; PIN_NUMBER "F13" at 291.166,190.5 h0.24; PIN_NUMBER "F14" at 292.166,190.5 h0.24; PIN_NUMBER "E14" at 292.166,191.5 h0.24; PIN_NUMBER "F11" at 289.166,190.5 h0.24; PIN_NUMBER "E11" at 289.166,191.5 h0.24; PIN_NUMBER "F12" at 290.166,190.5 h0.24; PIN_NUMBER "E12" at 290.166,191.5 h0.24; PIN_NUMBER "E13" at 291.166,191.5 h0.24; PIN_NUMBER "P5" at 282.854,182.5 h0.24; PIN_NUMBER "N6" at 283.854,183.5 h0.24; PIN_NUMBER "N5" at 282.854,183.5 h0.24; PIN_NUMBER "M5" at 282.854,184.5 h0.24; PIN_NUMBER "M6" at 283.854,184.5 h0.24; PIN_NUMBER "M7" at 284.854,184.5 h0.24; PIN_NUMBER "K5" at 282.854,186.5 h0.24; PIN_NUMBER "K6" at 283.854,186.5 h0.24; PIN_NUMBER "K7" at 284.854,186.5 h0.24; PIN_NUMBER "H5" at 282.854,188.5 h0.24; PIN_NUMBER "H6" at 283.854,188.5 h0.24; PIN_NUMBER "H7" at 284.854,188.5 h0.24; PIN_NUMBER "P6" at 283.854,182.5 h0.24; PIN_NUMBER "N7" at 284.854,183.5 h0.24; PIN_NUMBER "P7" at 284.854,182.5 h0.24; PIN_NUMBER "N8" at 285.854,183.5 h0.24; PIN_NUMBER "P8" at 285.854,182.5 h0.24; PIN_NUMBER "P10" at 287.936,182.5 h0.24; PIN_NUMBER "N10" at 287.936,183.5 h0.24; PIN_NUMBER "E9" at 286.854,191.5 h0.24; PIN_NUMBER "F9" at 286.854,190.5 h0.24; PIN_NUMBER "D12" at 290.166,192.5 h0.24; PIN_NUMBER "G15" at 293.166,189.5 h0.24; PIN_NUMBER "M15" at 293.166,184.5 h0.24; PIN_NUMBER "G18" at 296.166,189.5 h0.24; PIN_NUMBER "R15" at 293.166,181.5 h0.24; PIN_NUMBER "P15" at 293.166,182.5 h0.24; PIN_NUMBER "J15" at 293.166,187.5 h0.24; PIN_NUMBER "F15" at 293.166,190.5 h0.24; PIN_NUMBER "E15" at 293.166,191.5 h0.24; PIN_NUMBER "D15" at 293.166,192.5 h0.24; PIN_NUMBER "V17" at 295.166,178.5 h0.24; PIN_NUMBER "U16" at 294.166,179.5 h0.24; PIN_NUMBER "M3" at 280.854,184.5 h0.24; PIN_NUMBER "M1" at 278.624,184.5 h0.24; PIN_NUMBER "R4" at 281.854,181.5 h0.24; PIN_NUMBER "N2" at 279.854,183.5 h0.24; PIN_NUMBER "F3" at 280.854,190.5 h0.24; PIN_NUMBER "D1" at 278.624,192.5 h0.24; PIN_NUMBER "D4" at 281.854,192.5 h0.24; PIN_NUMBER "D3" at 280.854,192.5 h0.24; PIN_NUMBER "C3" at 280.854,193.5 h0.24; PIN_NUMBER "C2" at 279.854,193.5 h0.24; PIN_NUMBER "C1" at 278.624,193.5 h0.24; PIN_NUMBER "B3" at 280.854,194.5 h0.24; PIN_NUMBER "B2" at 279.854,194.5 h0.24; PIN_NUMBER "V2" at 279.854,178.5 h0.24; PIN_NUMBER "V1" at 278.624,178.5 h0.24; PIN_NUMBER "B1" at 278.624,194.5 h0.24; PIN_NUMBER "U3" at 280.854,179.5 h0.24; PIN_NUMBER "U2" at 279.854,179.5 h0.24; PIN_NUMBER "U1" at 278.624,179.5 h0.24; PIN_NUMBER "T3" at 280.854,180.5 h0.24; PIN_NUMBER "T2" at 279.854,180.5 h0.24; PIN_NUMBER "T1" at 278.624,180.5 h0.24; PIN_NUMBER "R2" at 279.854,181.5 h0.24; PIN_NUMBER "R1" at 278.624,181.5 h0.24; PIN_NUMBER "P4" at 281.854,182.5 h0.24; PIN_NUMBER "P3" at 280.854,182.5 h0.24; PIN_NUMBER "A2" at 279.854,195.5 h0.24; PIN_NUMBER "P2" at 279.854,182.5 h0.24; PIN_NUMBER "P1" at 278.624,182.5 h0.24; PIN_NUMBER "N4" at 281.854,183.5 h0.24; PIN_NUMBER "N3" at 280.854,183.5 h0.24; PIN_NUMBER "F2" at 279.854,190.5 h0.24; PIN_NUMBER "F1" at 278.624,190.5 h0.24; PIN_NUMBER "E4" at 281.854,191.5 h0.24; PIN_NUMBER "E3" at 280.854,191.5 h0.24; PIN_NUMBER "E2" at 279.854,191.5 h0.24; PIN_NUMBER "E1" at 278.624,191.5 h0.24; PIN_NUMBER "A1" at 278.624,195.5 h0.24; PIN_NUMBER "R3" at 280.854,181.5 h0.24; PIN_NUMBER "N1" at 278.624,183.5 h0.24; PIN_NUMBER "F4" at 281.854,190.5 h0.24; PIN_NUMBER "D2" at 279.854,192.5 h0.24; PIN_NUMBER "J4" at 281.854,187.5 h0.24; PIN_NUMBER "J3" at 280.854,187.5 h0.24; PIN_NUMBER "M4" at 281.854,184.5 h0.24; PIN_NUMBER "J1" at 278.624,187.5 h0.24; PIN_NUMBER "J2" at 279.854,187.5 h0.24; PIN_NUMBER "M2" at 279.854,184.5 h0.24; PIN_NUMBER "G1" at 278.624,189.5 h0.24; PIN_NUMBER "G2" at 279.854,189.5 h0.24; PIN_NUMBER "K4" at 281.854,186.5 h0.24; PIN_NUMBER "H2" at 279.854,188.5 h0.24; PIN_NUMBER "L1" at 278.624,185.5 h0.24; PIN_NUMBER "H1" at 278.624,188.5 h0.24; PIN_NUMBER "L2" at 279.854,185.5 h0.24; PIN_NUMBER "G4" at 281.854,189.5 h0.24; PIN_NUMBER "L3" at 280.854,185.5 h0.24; PIN_NUMBER "G3" at 280.854,189.5 h0.24; PIN_NUMBER "L4" at 281.854,185.5 h0.24; PIN_NUMBER "K1" at 278.624,186.5 h0.24; PIN_NUMBER "H4" at 281.854,188.5 h0.24; PIN_NUMBER "K3" at 280.854,186.5 h0.24; PIN_NUMBER "H3" at 280.854,188.5 h0.24; PIN_NUMBER "K2" at 279.854,186.5 h0.24